# Altium PCB PCB1.PcbDoc (continued)
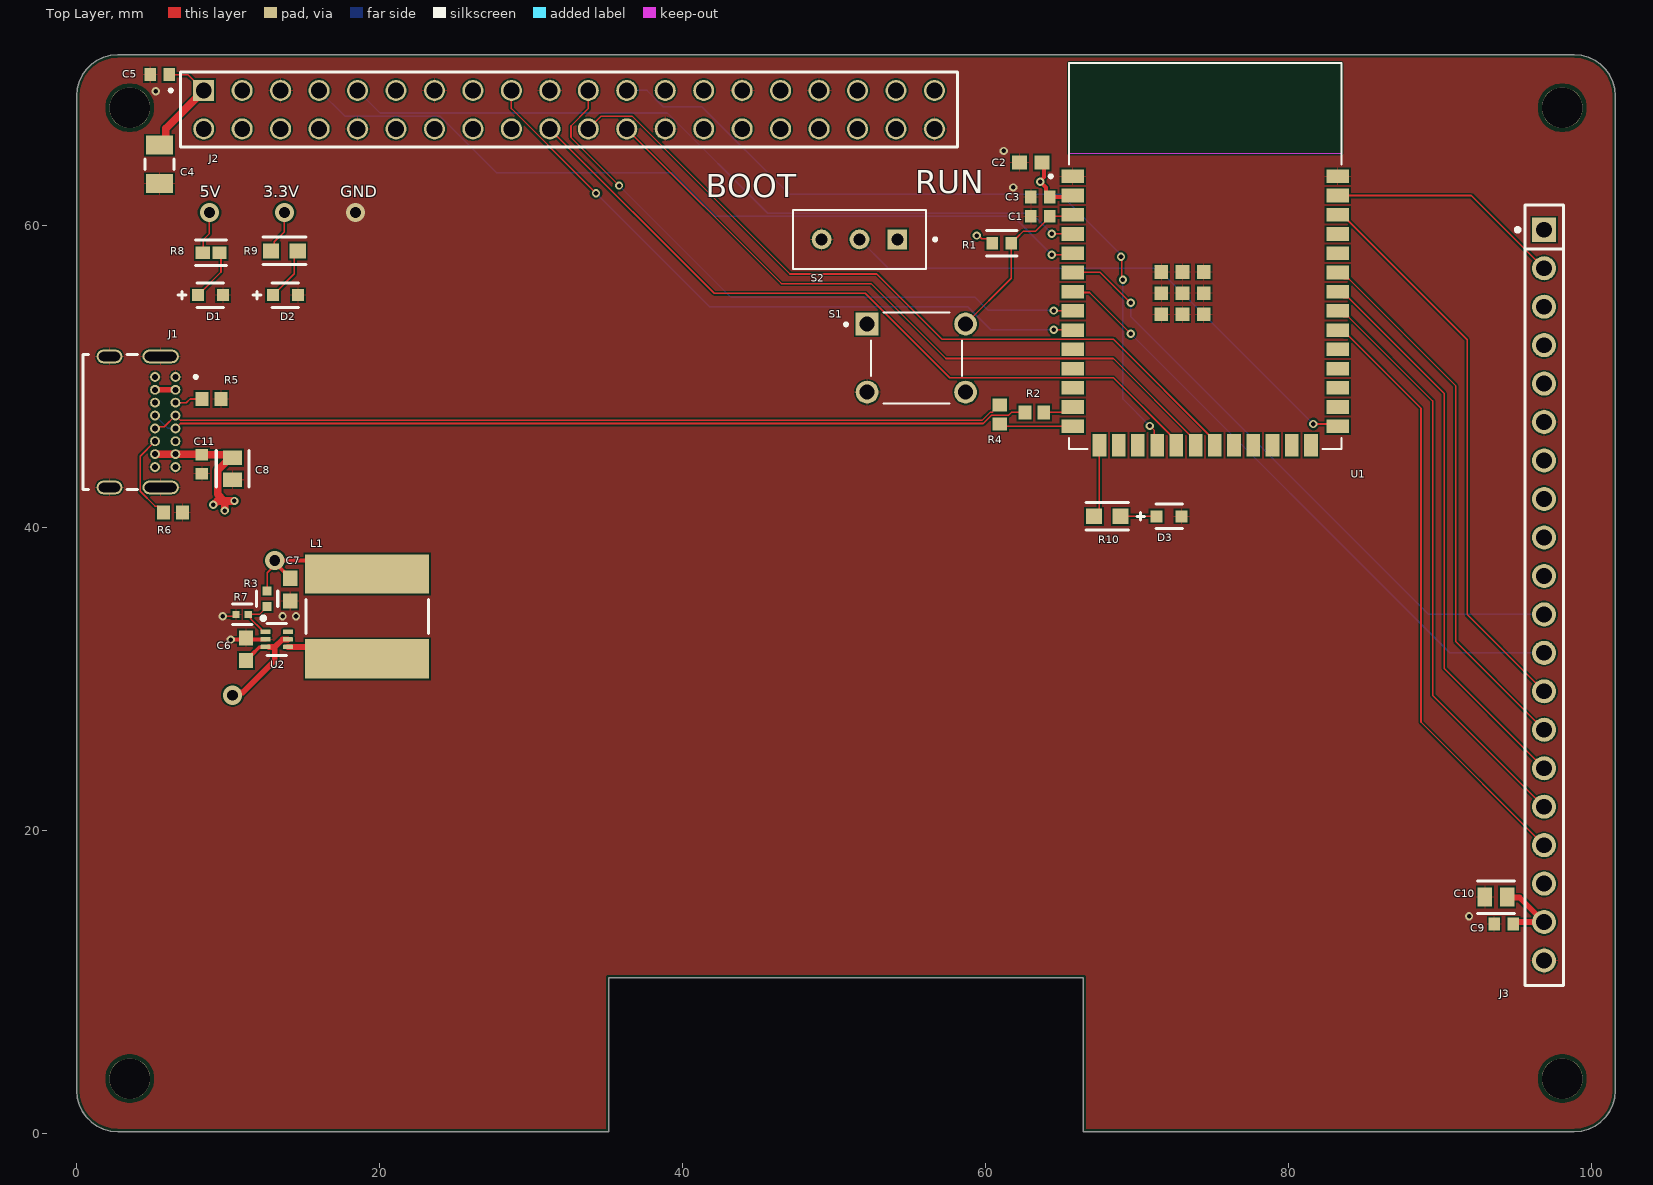
[diagram p0: Top Layer view]
## Footprints (in the part's own frame and the unit in brackets; to place one, negate y for a bottom-side part, rotate by r counter-clockwise, add the part's x,y. Pads: shape width x height; smd on the part's side, far side on the other; paste and mask are expansions set on the pad)
CAPC1608X09N [mm] "Chip Capacitor, 2-Leads, Body 1.60x0.80mm, IPC Medium Density"
  rect 1x0.95 smd: 1(-0.75,0) 2(0.75,0)
  body extent -0.85,-0.45 0.85,0.45, height 0.9
CAPC1608X90X35LL10T15 [mm] "Chip Capacitor, 2-Leads, Body 1.60x0.80mm, IPC High Density"
  rect 0.75x0.85 smd: 1(-0.625,0) 2(0.625,0)
  body extent -0.85,-0.45 0.85,0.45, height 0.9
FP-AC0603-IPC_A [mm]
  rect 1.059x1.012 smd paste+0 mask+0: 1(-0.877,0) 2(0.877,0)
  silkscreen extent -1.41,-0.91 1.41,0.91, body extent -1.91,-1.01 1.91,1.01, height 0.25
FP-APTD1608SEC-J3-MFG [mm]
  rect 0.8x0.8 smd paste+0 mask+0: 1(-0.825,0) 2(0.825,0)
  silkscreen extent -0.87,-0.8 2.12,0.8, body extent -1.33,-0.58 1.33,0.58, height 0.25
FP-CRCW0402-e3-IPC_C [mm]
  rect 0.468x0.472 smd paste+0 mask+0: 1(-0.402,0) 2(0.402,0)
  silkscreen extent -0.64,-0.67 0.64,0.67, body extent -0.74,-0.38 0.74,0.38, height 0.25
FP-CRCW0402-e3-MFG [mm]
  rect 0.6x0.6 smd paste+0 mask+0: 1(-0.525,0) 2(0.525,0)
  silkscreen extent -0.53,-0.7 0.53,0.7, body extent -0.92,-0.4 0.92,0.4, height 0.25
FP-CRGP0603-IPC_C [mm]
  rect 0.758x0.812 smd paste+0 mask+0: 1(-0.627,0) 2(0.627,0)
  silkscreen extent -1.01,-0.85 1.01,0.85, body extent -1.11,-0.55 1.11,0.55, height 0.25
FP-DRL0006A-MFG [mm]
  rrect33% 0.67x0.3 smd paste+0 mask+0: 1(-0.74,0.5) 2(-0.74,0) 3(-0.74,-0.5) 4(0.74,-0.5) 5(0.74,0) 6(0.74,0.5)
  silkscreen extent -1.01,-1.05 0.65,1.52, body extent -1.17,-1.1 1.17,1.1, height 0.25
FP-GRM21B-0_1-IPC_C [mm]
  rect 0.958x1.262 smd paste+0 mask+0: 1(-0.727,0) 2(0.727,0)
  silkscreen extent -1.21,-1.07 1.21,1.07, body extent -1.31,-0.77 1.31,0.77, height 0.25
FP-GRM31C-0_3-e0_3_0_8-IPC_C [mm]
  rect 1.253x1.804 smd paste+0 mask+0: 1(-1.275,0) 2(1.275,0)
  silkscreen extent -0.35,-0.95 0.35,0.95, body extent -2,-1.05 2,1.05, height 0.25
FP-RNCP0603-IPC_C [mm]
  rect 0.953x0.812 smd paste+0 mask+0: 1(-0.552,0) 2(0.552,0)
  silkscreen extent -1.03,-0.85 1.03,0.85, body extent -1.13,-0.55 1.13,0.55, height 0.25
FP-SRN8040-MFG [mm]
  rect 2.6x8.2 smd paste+0 mask+0: 1(-2.8,0) 2(2.8,0)
  silkscreen extent -1.12,-4.05 1.12,4.05, body extent -4.28,-4.2 4.28,4.2, height 0.25
FP-SSW-120-01-G-S-MFG [mm]
  rect 1.59x1.59 hole 1.04 paste-2539.97 mask+0: 1(-24.13,0)
  round 1.59 hole 1.04 paste-2539.97 mask+0: 2(-21.59,0) 3(-19.05,0) 4(-16.51,0) 5(-13.97,0) 6(-11.43,0) 7(-8.89,0) 8(-6.35,0) 9(-3.81,0) 10(-1.27,0) 11(1.27,0) 12(3.81,0) 13(6.35,0) 14(8.89,0) 15(11.43,0) 16(13.97,0) 17(16.51,0) 18(19.05,0) 19(21.59,0) 20(24.13,0)
  silkscreen extent -25.78,-1.87 25.78,1.27, body extent -25.88,-1.37 25.88,1.37, height 0.25
GCT_USB4085-GF-A_REVB [mm]
  round 0.65 hole 0.4: A1(-2.975,4.36) A4(-2.125,4.36) A5(-1.275,4.36) A6(-0.425,4.36) A7(0.425,4.36) A8(1.275,4.36) A9(2.125,4.36) A12(2.975,4.36) B1(2.975,3.01) B4(2.125,3.01) B5(1.275,3.01) B6(0.425,3.01) B7(-0.425,3.01) B8(-1.275,3.01) B9(-2.125,3.01) B12(-2.975,3.01)
  oval 0.9x1.7 hole 0.6 slot 1.4 at 90 deg: S1(-4.325,0) S2(4.325,0)
  oval 0.9x2.4 hole 0.6 slot 2.1 at 90 deg: S3(-4.325,3.38) S4(4.325,3.38)
  silkscreen extent -4.47,-1.74 4.47,5.8, body extent -4.47,-4.25 4.47,4.92, height 3.46
RESC1608X06N [mm] "Chip Resistor, 2-Leads, Body 1.55x0.79mm, IPC Medium Density"
  rect 0.85x0.95 smd: 1(-0.625,0) 2(0.625,0)
  body extent -0.85,-0.47 0.85,0.47, height 0.61
SAMTEC_SSW-120-02-T-D [mm]
  rect 1.39x1.39 / inner round 1.39 / far side rect 1.39x1.39 hole 1.04: 01(0,0)
  round 1.39 hole 1.04: 02(0,2.54) 03(-2.54,0) 04(-2.54,2.54) 05(-5.08,0) 06(-5.08,2.54) 07(-7.62,0) 08(-7.62,2.54) 09(-10.16,0) 10(-10.16,2.54) 11(-12.7,0) 12(-12.7,2.54) 13(-15.24,0) 14(-15.24,2.54) 15(-17.78,0) 16(-17.78,2.54) 17(-20.32,0) 18(-20.32,2.54) 19(-22.86,0) 20(-22.86,2.54) 21(-25.4,0) 22(-25.4,2.54) 23(-27.94,0) 24(-27.94,2.54) 25(-30.48,0) 26(-30.48,2.54) 27(-33.02,0) 28(-33.02,2.54) 29(-35.56,0) 30(-35.56,2.54) 31(-38.1,0) 32(-38.1,2.54) 33(-40.64,0) 34(-40.64,2.54) 35(-43.18,0) 36(-43.18,2.54) 37(-45.72,0) 38(-45.72,2.54) 39(-48.26,0) 40(-48.26,2.54)
  silkscreen extent -49.79,-1.21 2.27,3.75, body extent -49.78,-1.21 1.52,3.75, height 8.51
SW_SLW-883935-2A-D [mm]
  rect 1.308x1.308 / inner round 1.308 / far side rect 1.308x1.308 hole 0.8 mask+0.102: 1(-2.5,0)
  round 1.308 hole 0.8 mask+0.102: 2(0,0) 3(2.5,0)
  silkscreen extent -5.1,-1.95 4.4,1.95, body extent -4.3,-1.91 4.3,1.99, height 4.1
SW_TS02-66-43-BK-100-SCR-D [mm]
  rect 1.508x1.508 / inner round 1.508 / far side rect 1.508x1.508 hole 1 mask+0.102: 1(-3.25,2.25)
  round 1.508 hole 1 mask+0.102: 2(3.25,2.25) 3(-3.25,-2.25) 4(3.25,-2.25)
  silkscreen extent -4.75,-3 3,3, body extent -3.6,-3 3.6,3, height 4.3
XCVR_ESP32S3WROOM1N8R8 [mm]
  rect 1.5x0.9 smd: 1(-8.75,5.26) 2(-8.75,3.99) 3(-8.75,-8.71) 3(-8.75,2.72) 4(-8.75,1.45) 5(-8.75,0.18) 6(-8.75,-1.09) 7(-8.75,-2.36) 8(-8.75,-3.63) 9(-8.75,-4.9) 10(-8.75,-6.17) 11(-8.75,-7.44) 13(-8.75,-9.98) 14(-8.75,-11.25) 27(8.75,-11.25) 28(8.75,-9.98) 29(8.75,-8.71) 30(8.75,-7.44) 31(8.75,-6.17) 32(8.75,-4.9) 33(8.75,-3.63) 34(8.75,-2.36) 35(8.75,-1.09) 36(8.75,0.18) 37(8.75,1.45) 38(8.75,2.72) 39(8.75,3.99) 40(8.75,5.26)
  rect 0.9x1.5 smd: 15(-6.985,-12.5) 16(-5.715,-12.5) 17(-4.445,-12.5) 18(-3.175,-12.5) 19(-1.905,-12.5) 20(-0.635,-12.5) 21(0.635,-12.5) 22(1.905,-12.5) 23(3.175,-12.5) 24(4.445,-12.5) 25(5.715,-12.5) 26(6.985,-12.5)
  rect 0.9x0.9 smd: 41_1(-1.5,-2.46) 41_2(-2.9,-2.46) 41_3(-0.1,-2.46) 41_4(-2.9,-3.86) 41_5(-1.5,-3.86) 41_6(-0.1,-3.86) 41_7(-2.9,-1.06) 41_8(-1.5,-1.06) 41_9(-0.1,-1.06)
  Keep-Out Layer region: 9,6.75 -9,6.75 -9,12.75 9,12.75
  Keep-Out Layer region: 9,6.75 -9,6.75 -9,12.75 9,12.75
  silkscreen extent -10.3,-12.75 9,12.75, body extent -9,-12.75 9,12.75, height 3.25

## Part data
C1 C3 C5 C9 C11: library part CMP-2006-02868-1, Manufacturer=Murata, Part Number=GRM188R71E104KA01D
C2 C7: library part CMP-003-000012-1, "CAP CER 22uF 10V X5R Symbols/Capacitor-Generic.SchLib", Manufacturer 1=Murata, Manufacturer Part Number 1=GRM187R61A226ME15#, Part Number=CAP-0603-000010, Temperature Characteristic=X5R, Tolerance=20%, Voltage=10V, Symbol Path=Symbols/Capacitor-Generic.SchLib
C4: library part CMP-06035-011430-1, "Chip Multilayer Ceramic Capacitors for General Purpose, 1206, 47uF, X5R, 15%, 20%, 16V", Dielectric=X5R, Tolerance=20%, Voltage Rating (DC)=16V, Capacitance=47uF, Length=3.2mm, Thickness=1.6mm, Width=1.6mm
C6: library part CMP-003-000096-1, "CAP CER 4.7uF 25V X5R Symbols/Capacitor-Generic.SchLib", Manufacturer 1=Murata, Manufacturer Part Number 1=GRM188R61E475KE11#, Part Number=CAP-0603-000094, Temperature Characteristic=X5R, Tolerance=10%, Voltage=25V, Symbol Path=Symbols/Capacitor-Generic.SchLib
C8 C10: library part CMP-2007-03453-2, "Chip Multilayer Ceramic Capacitors for General Purpose, 0805, 10uF, X5R, 15%, 10%, 16V", Case Code (Imperial)=0805, Case Code (Metric)=2012, Dielectric=X5R, Max Operating Temperature=85°C, Min Operating Temperature=-55°C, Package Quantity=1, Tolerance=10%, Voltage=16V, Capacitance=10uF, Case/Package=0805, Depth=1.25mm, Height=1.25mm, Lead Free="Lead Free", Length=2mm, Material=Ceramic, Mount="Surface Mount", Packaging="Tape and Reel", Radiation Hardening=No, REACH SVHC="No SVHC", Termination=SMD/SMT, Thickness=0.053inch, Voltage Rating=16V, Voltage Rating (DC)=16V, Width=1.25mm
D1 D2 D3: library part CMP-44529-000051-1, "LED RED CLEAR CHIP SMD", Case Code (Imperial)=0603, Case Code (Metric)=1608, Color=Red, Forward Current=20mA, Forward Voltage=2.2V, Lens Color=Colorless, Max Operating Temperature=85°C, Min Operating Temperature=-40°C, Package Quantity=2000, Case/Package=0603, Dominant Wavelength=625nm, Height=0.95mm, Illumination Color=Red, Lead Free="Lead Free", Length=1.6mm, Lens Style=Clear, Lens Transparency=Clear, Luminous Intensity=900mcd, Mount="Surface Mount", Number of LEDs=1, Number of Pins=4, Packaging="Tape and Reel", Test Current=20mA, Viewing Angle=60°, Width=0.8mm
J1: "USB-C (USB TYPE-C) USB 2.0 æ’åº§è¿žæŽ¥å™¨ 24 (16+8 Dummy) ä½é€šå­”ã€ç›´è§’ã€ä½Žæˆæœ¬ã€3.46mm å¤–å½¢ã€16 é’ˆã€æ°´å¹³ã€é¡¶éƒ¨å®‰è£…", Package=None, Check_prices=https://www.snapeda.com/parts/USB4085-GF-A/Global+Connector+Technology/view-part/?ref=eda, MF="Global Connector Technology", MP=USB4085-GF-A, SnapEDA_Link=https://www.snapeda.com/parts/USB4085-GF-A/Global+Connector+Technology/view-part/?ref=snap
J2: "40 Position Receptacle Connector 0.100 (2.54mm) Through Hole Tin", Package=None, Check_prices=https://www.snapeda.com/parts/SSW-120-02-T-D/Samtec+Inc./view-part/?ref=eda, MF="Samtec Inc.", MP=SSW-120-02-T-D, SnapEDA_Link=https://www.snapeda.com/parts/SSW-120-02-T-D/Samtec+Inc./view-part/?ref=snap
J3: library part CMP-00575-00296075-1, "SSW-120-01-G-S SSW - Samtec 2.54mm Single Row Straight Socket Strip 8.5 Profile (mcv)(TO22)", Color=Black, Contact Resistance=10mΩ, Current Rating=6.9A, Manufacturer Lifecycle Status=PRODUCTION, Max Operating Temperature=125°C, Max Voltage Rating (AC)=550V, Min Operating Temperature=-55°C, Voltage Rating (AC)=465V, Voltage Rating (DC)=655V, Connector Type="Receptacle, Socket", Contact Material=Bronze, Contact Plating=Gold, Depth=2.41mm, Gender=Receptacle, Housing Color=Black, Housing Material=Polymer, Lead Free="Lead Free", Lead Length=2.64mm, Lead Pitch=2.54mm, Length=51.31mm, Lifecycle Status=Production, Max Current Rating=6.9A, Mount="Through Hole", NexarPartId=296075, Number of Contacts=20, Number of Positions=20, Number of Rows=1, Orientation=Straight, Pitch=2.54mm, Radiation Hardening=No, REACH SVHC="No SVHC", RoHS=Compliant, Termination=Solder, Voltage Rating=550V
L1: library part CMP-07248-000040-1, "FIXED IND 1UH 7.8A 10 MOHM SMD", Case/Package=Nonstandard, Current Rating=7.8A, DC Resistance (DCR)=10mR, Inductance Tolerance=30%, Max Operating Temperature=125°C, Min Operating Temperature=-40°C, Package Quantity=1000, Saturation Current=11A, Self Resonant Frequency=75MHz, Test Frequency=100kHz, Composition=Wirewound, Core Material=Ferrite, DC Current=7.8A, Depth=8.3mm, Height=4mm, Height - Seated (Max)=0.157inch, Inductance=1uH, Length=8mm, Max DC Current=7.8A, Military Standard=Not, Mount="Surface Mount", Number of Pins=2, Packaging="Tape and Reel", REACH SVHC="No SVHC", RMS Current (Irms)=7.8A, Shielding=Shielded, Termination=SMD/SMT, Tolerance=30%, Width=8mm
R1: library part CMP-03211-004414-1, "CRGP 0603 10K 1%", Ambient Temperature Range High=+70°C, Manufacturer=TE, Manufacturer Part Number=CRGP0603F10K, Package=CRGP0603, Power Rating=0.25W, Resistance=10KΩ, Temperature="-55°C to +155°C", Temperature Coefficient=±100ppm/°C, Temperature Range High=+155°C, Temperature Range Low=-55°C, Tolerance=0.01, Voltage Rating=50V, Automotive=No, Category=Res, ComponentLink2Description=Datasheet, ComponentLink2URL=https://www.te.com/commerce/DocumentDelivery/DDEController?Action=srchrtrv&DocNm=9-1773463-9&DocType=DS&DocLang=English, Composition="Thick Film", Device Class L1="Passive Components", Device Class L2=Resistors, Device Class L3="Chip SMD Resistors", Digikey Description="CRGP 0603 10K 1%", Height=0.55mm, Ipc Land Pattern Name=RESC16080X45, Lead Free=Yes, Mouser Description="Res, 10K, 1%, 0.25W, 0603, Thick Film", Octopart=https://octopart.com/crgp0603f10k-te+connectivity-91018721, RoHS=TRUE, Series=CRGP
R2 R4: library part CMP-007-000132-1, "RES 22.6 OHM 1% 1/10W 0603", Manufacturer 1=Yageo, Manufacturer 2="Stackpole Electronics", Manufacturer 3="Vishay Dale", Manufacturer Part Number 1=RC0603FR-0722R6L, Manufacturer Part Number 2=RMCF0603FT22R6, Manufacturer Part Number 3=CRCW060322R6FKED, Part Number=RES-0603-22R6-001, Tolerance=0.01%, Symbol Path=Symbols/Resistor_Generic.SchLib
R3: library part CMP-2002-00012-2, "RES Thick Film, 453kΩ, 1%, 0.063W, 100ppm/°C, 0402", Case Code (Imperial)=0402, Case Code (Metric)=1005, Max Operating Temperature=155°C, Max Power Dissipation=63mW, Min Operating Temperature=-55°C, Package Quantity=10, Resistance=453kR, Resistance Tolerance=1%, Resistor Type="Thick Film", Temperature Coefficient=100ppm/°C, Voltage Rating=50V, Case/Package=0402, Construction=Rectangular, Contact Plating=Tin, Depth=0.5mm, Features="Automotive AEC-Q200", Height=0.016inch, Lead Free="Lead Free", Length=1mm, Military Standard=Not, Number of Pins=2, Number of Terminations=2, Packaging="Tape and Reel", Power Rating=63mW, Radiation Hardening=No, RoHS Compliant=Yes, Series=CRCW, Size Code=0402, Termination=SMD/SMT, Tolerance=1%, Voltage Rating (DC)=50V, Weight=2.3E-05oz, Width=0.5mm
R5 R6: library part CMP-007-000358-1, "RES 5.11K OHM 1% 1/10W 0603", Manufacturer 1=Yageo, Manufacturer 2="Stackpole Electronics", Manufacturer 3="Vishay Dale", Manufacturer Part Number 1=RC0603FR-075K11L, Manufacturer Part Number 2=RMCF0603FT5K11, Manufacturer Part Number 3=CRCW06035K11FKED, Part Number=RES-0603-5K11-001, Tolerance=0.01%, Symbol Path=Symbols/Resistor_Generic.SchLib
R7: library part CMP-2002-08123-3, "RES Thick Film, 100kΩ, 1%, 0.063W, 100ppm/°C, 0402", Case Code (Imperial)=0402, Case Code (Metric)=1005, Max Operating Temperature=155°C, Max Power Dissipation=63mW, Min Operating Temperature=-55°C, Package Quantity=10000, Resistance=100kR, Temperature Coefficient=100ppm/°C, Tolerance=1%, Voltage Rating=50V, Case/Package=0402, Composition="Thick Film", Contact Plating=Tin, Depth=0.5mm, Features="Automotive AEC-Q200", Height=0.35mm, Lead Free="Lead Free", Length=1mm, Military Standard=Not, Mount="Surface Mount", Number of Pins=2, Number of Terminations=2, Packaging="Tape and Reel", Power Rating=63mW, Radiation Hardening=No, Termination=SMD/SMT, Voltage Rating (DC)=50V, Weight=2.3E-05oz, Width=0.02inch
R8: library part CMP-26527-006179-1, "1kΩ ±1% 0.125W 0603 High Power Anti-Sulfur Thin Film Chip Resistor", Case Code (Imperial)=0603, Case Code (Metric)=1608, Max Operating Temperature=155°C, Max Power Dissipation=125mW, Min Operating Temperature=-55°C, Resistance=1kR, Resistor Type="Thin Film", Temperature Coefficient=100ppm/°C, Tolerance=1%, Case/Package=0603, Features="Moisture Resistant", Height=0.02inch, Length=0.059inch, Mount="Surface Mount", Number of Terminations=2, Packaging="Tape and Reel", RoHS Compliant=Yes, Series=RNCP, Width=0.031inch
R9 R10: library part CMP-03412-002877-2, "RES 470Ω 1.00% 0.1W 0603", Case/Package=0603, Resistance=470R, Tolerance=1%, RoHS Compliant=Yes
S1: library part CMP-00010-2, "Switch Tactile OFF (ON) SPST Round Button PC Pins 0.05A 12VDC 100000Cycles 1N Thru-Hole Bag", Color=Black, Contact Resistance=100mΩ, Insulation Resistance=100MΩ, Max Current Rating=50mA, Max Operating Temperature=80°C, Max Voltage Rating (DC)=12V, Min Operating Temperature=-30°C, Operating Force=980mN, Contact Plating=Silver, Electrical Life=100kcycles, Height=3.5mm, Housing Material="Stainless Steel", Length=6mm, Lifecycle Status=Production, Number of Positions=1, REACH SVHC=Yes, RoHS=Compliant, Schedule B="8536509030, 8536509065, 8536509065", Terminal Material=Brass, Throw Configuration=SPST
S2: library part CMP-00009-3, "Switch Slide ON ON SPDT Raised Slide 0.5A 30VDC 10000Cycles PC Pins Thru-Hole Box", Lifecycle Status=Production, Number of Positions=2, REACH SVHC=Yes, RoHS=Compliant
U1: "Bluetooth, WiFi 802.11b/g/n, Bluetooth v5.0 Transceiver Module 2.4GHz PCB Trace Surface Mount", Package=None, Availability="In Stock", Check_prices=https://www.snapeda.com/parts/ESP32-S3-WROOM-1-N8R8/Espressif+Systems/view-part/?ref=eda, MF="Espressif Systems", MP=ESP32-S3-WROOM-1-N8R8, Price=None, Purchase-URL=https://pricing.snapeda.com/search?q=ESP32-S3-WROOM-1-N8R8&ref=eda, SnapEDA_Link=https://www.snapeda.com/parts/ESP32-S3-WROOM-1-N8R8/Espressif+Systems/view-part/?ref=snap
U2: library part CMP-04918-000167-1, "IC REG BUCK ADJ 2A SOT563", Case/Package=SOT-563, Max Input Voltage=5.5V, Max Operating Temperature=125°C, Min Input Voltage=2.5V, Min Operating Temperature=-40°C, Min Output Voltage=600mV, Output Current=2A, Switching Frequency=1.5MHz, Max Output Voltage=5.5V, Mount="Surface Mount", Output Configuration=Positive, Output Type=Adjustable, Packaging="Tape and Reel", Synchronous Rectifier=Yes

## Free pads (board coordinates)
  round 2.7 hole 2.7 unplated: 1(3.5,3.627) 1(3.5,67.747) 1(98.1,3.627) 1(98.1,67.747)

## Via types
v1: diameter 0.55, hole 0.3, Top Layer to Bottom Layer, 25 vias
v2: diameter 1.27, hole 0.711, Top Layer to Bottom Layer, 5 vias

## Nets (pads, with @x,y where several pads share a name; then routed paths per layer and width w, separated by ;. In a path a pad name is that pad's centre, name@x,y a point inside that pad or via, vN(x,y) a via of type N, cw(c..) or ccw(c..) an arc to the next point about the centre after c; other vN are vias at no path point)
3.3V: C2.2 C3.2 C7.2 C9.2 C10.1 J3.19 L1.2 R1.1 R3.2 R9.1 S2.1 U1.2 | length 23
  Top Layer w0.102: R3.2@12.573,35.814 R3.2 12.573,37.042 13.081,37.55 v2@13.081,37.719 ; R9.1 13.049,58.503 13.049,58.892 13.716,59.559 v2(13.716,60.833) ; v2@13.208,37.593 v2@13.208,37.719 ; L1.2@18.542,37.592 L1.2 ; v1(59.436,59.309) 59.557,59.309 59.765,59.101 60.16,59.101 R1.1 ; U1.2@65.669,61.849 U1.2 ; C9.2@95.123,13.843 95.25,13.97
  Top Layer w0.254: v2(13.081,37.846) 13.208,37.719 13.335,37.846 18.288,37.846 L1.2@18.542,37.592 ; v2@13.208,37.593 C7.2@14.097,36.704 ; C2.2@63.869,63.754 63.869,63.162 63.627,62.92 v1(63.627,62.865) 64.014,62.478 64.014,62.097 C3.2@64.077,62.034 ; C3.2 U1.2@65.669,61.849
  Top Layer w0.381: C3.2@64.077,62.034 C3.2 ; C10.1 94.484,15.591 95.28,15.591 J3.19 95.25,13.97
5V: C4.1 C5.2 C6.2 C8.1 C11.2 J1.A4 J1.A9 J1.B4 J1.B9 J2.01 J2.03 R8.1 U2.3 U2.5 | length 31.3
  Top Layer w0.102: C5.2 7.336,69.936 J2.01 ; C11.2@8.214,44.872 C11.2 ; R8.1@8.342,58.166 8.342,59.019 8.763,59.44 v2(8.763,60.833) ; C8.1@10.17,44.751 C8.1 ; C6.2 11.176,31.267 11.6,31.691 11.625,31.691 11.981,32.047 12.24,32.047 U2.3@12.332,32.139
  Top Layer w0.254: C6.2@11.176,31.267 11.524,31.615 11.549,31.615 12.05,32.116 U2.3@12.233,32.116
  Top Layer w0.381: J1.B9 J1.A4 ; C8.1@9.846,44.346 9.916,44.416 C8.1@9.916,44.634 ; v2(10.287,28.956) 10.457,29.126 10.965,29.126 13.079,31.24 13.079,32.139 ; U2.3@12.7,32.139 13.079,32.139 ; U2.5 13.579,32.639 13.079,32.139
  Top Layer w0.508: J1.B4 J1.A9 C11.2@8.214,44.872 ; C4.1 5.494,65.283 5.866,65.656 5.866,66.374 J2.01 ; C11.2 C8.1@10.043,44.831 ; v1(9.017,41.529) 9.028,41.529 9.274,41.775 9.739,41.775 ; v1(9.779,41.148) 9.779,41.735 ; C8.1@9.846,44.346 9.84,44.346 9.3,43.806 9.3,42.214 9.739,41.775 ; v1(10.414,41.783) 10.406,41.775 9.819,41.775 ; 9.739,41.775 9.819,41.775 ; 9.739,41.775 9.779,41.735 ; 9.779,41.735 9.819,41.775
BOOT: S2.2 U1.27 | length 36.7
  Top Layer w0.102: v1(81.661,46.863) 83.121,46.863 U1.27
  Bottom Layer w0.102: S2.2 53.594,57.15 71.374,57.15 v1(81.661,46.863)
ENABLE: C1.2 R1.2 S1.2 U1.3@65.772,60.682 | length 11.4
  Top Layer w0.102: S1.2 61.714,56.484 R1.2 ; R1.2@61.714,58.828 62.042,59.156 62.069,59.156 62.514,59.601 63.334,59.601 64.262,60.529 C1.2 65.669,60.579 U1.3@65.772,60.682
GND: C1.1 C2.1 C3.1 C4.2 C5.1 C6.1 C7.1 C8.2 C9.1 C10.2 C11.1 D1.1 D2.1 D3.1 J1.A1 J1.A12 J1.B1 J1.B12 J1.S1 J1.S2 J1.S3 J1.S4 J2.05 J2.10 J2.13 J2.19 J2.26 J2.29 J2.33 J2.40 J3.6 J3.20 R5.2 R6.2 R7.1 S1.3 S2.3 U1.1 U1.40 U1.41_1 U1.41_2 U1.41_3 U1.41_4 U1.41_5 U1.41_6 U1.41_7 U1.41_8 U1.41_9 U2.2 | length 3.3
  Top Layer w0.102: v1(9.631,34.163) 10.393,34.163 R7.1 ; C6.1@11.061,32.627 C6.1
  Top Layer w0.254: v1(10.16,32.627) C6.1@11.061,32.627 ; C6.1 11.279,32.639 U2.2
  other v1: 91.948,14.351 13.589,34.163 14.478,34.163 61.849,62.484 61.214,64.897 5.207,68.834
  other v2: 18.415,60.833
NetD1_2: D1.2 R8.2 | length 3.4
  Top Layer w0.102: D1.2 9.525,56.896 R8.2@9.525,58.166
NetD2_2: D2.2 R9.2 | length 3.5
  Top Layer w0.102: D2.2 14.368,56.786 R9.2@14.368,58.293
NetD3_2: D3.2 R10.2 | length 2.4
  Top Layer w0.102: R10.2 71.184,40.767 D3.2@71.311,40.64
NetJ1_A5: J1.A5 R5.1 | length 1.6
  Top Layer w0.102: J1.A5@6.544,48.267 7.233,48.267 7.48,48.514 R5.1@8.062,48.514
NetJ1_B5: J1.B5 R6.1 | length 5.9
  Top Layer w0.102: J1.B5 4.187,44.74 4.187,42.422 5.164,41.445 5.351,41.445 5.725,41.071 R6.1
NetJ2_07: J2.07 U1.5 | length 54.3
  Top Layer w0.102: v1(64.389,58.039) 65.669,58.039 U1.5
  Bottom Layer w0.102: J2.07 17.695,67.197 23.973,67.197 27.721,63.449 39.288,63.449 42.158,60.579 61.849,60.579 v1(64.389,58.039)
NetJ2_09: J2.09 U1.4 | length 51.2
  Top Layer w0.102: v1(64.389,59.436) 65.748,59.436 U1.4
  Bottom Layer w0.102: J2.09 20.031,67.401 39.01,67.401 45.628,60.782 63.043,60.782 v1(64.389,59.436)
NetJ2_17: J2.17 U1.9 | length 44.3
  Top Layer w0.102: J2.17 28.702,67.692 33.471,62.923 33.91,62.484 v1(34.29,62.103) ; v1(64.516,53.086) 65.748,53.086 U1.9
  Bottom Layer w0.102: v1(34.29,62.103) 41.783,54.61 58.836,54.61 59.276,54.17 60.36,53.086 v1(64.516,53.086)
NetJ2_20: J2.20 U1.19 | length 50.2
  Top Layer w0.102: J2.20 42.093,55.499 52.07,55.499 57.658,49.911 68.468,49.911 72.617,45.762 U1.19
NetJ2_21: J2.21 U1.8 | length 41.5
  Top Layer w0.102: J2.21 33.782,67.694 32.639,66.551 32.639,65.786 v1(35.814,62.611) ; v1(64.516,54.356) 65.748,54.356 U1.8
  Bottom Layer w0.102: v1(35.814,62.611) 43.18,55.245 59.309,55.245 60.181,54.373 64.499,54.373 v1(64.516,54.356)
NetJ2_22: J2.22 U1.21 | length 50.9
  Top Layer w0.102: J2.22 34.629,67.197 36.673,67.197 47.101,56.769 52.832,56.769 57.141,52.46 68.459,52.46 75.157,45.762 U1.21
NetJ2_23: J2.23 U1.18 | length 50.6
  Top Layer w0.102: v1(68.961,57.912) 69.025,57.848 69.025,56.451 v1(69.088,56.388) ; v1(70.866,46.736) 71.168,46.434 71.168,45.641 U1.18
  Bottom Layer w0.102: J2.23 37.664,68.89 38.736,67.818 41.276,67.818 47.062,62.031 64.969,62.031 v1@68.961,58.039 ; v1(69.088,56.388) 69.088,48.514 v1(70.866,46.736)
NetJ2_24: J2.24 U1.20 | length 46.4
  Top Layer w0.102: J2.24 46.538,56.134 52.451,56.134 57.395,51.19 68.459,51.19 73.887,45.762 U1.20
NetJ3_2: J3.2 U1.39 | length 15.6
  Top Layer w0.102: U1.39 92.099,61.952 J3.2
NetJ3_11: J3.11 U1.6 | length 41
  Top Layer w0.102: U1.6 67.588,56.872 v1(69.596,54.864)
  Bottom Layer w0.102: v1(69.596,54.864) 69.596,53.975 89.281,34.29 J3.11
NetJ3_12: J3.12 U1.7 | length 41
  Top Layer w0.102: U1.7 65.827,55.547 66.881,55.547 v1(69.596,52.832)
  Bottom Layer w0.102: v1(69.596,52.832) 90.678,31.75 J3.12
NetJ3_13: J3.13 U1.38 | length 37.3
  Top Layer w0.102: U1.38 83.572,60.682 91.821,52.433 91.821,34.29 J3.13
NetJ3_14: J3.14 U1.35 | length 36
  Top Layer w0.102: U1.35 83.671,56.473 83.989,56.473 91.059,49.403 91.059,32.512 J3.14
NetJ3_15: J3.15 U1.34 | length 37.3
  Top Layer w0.102: U1.34 83.671,55.203 83.989,55.203 90.297,48.895 90.297,30.734 J3.15
NetJ3_16: J3.16 U1.33 | length 38.6
  Top Layer w0.102: U1.33 83.671,53.933 83.989,53.933 89.535,48.387 89.535,28.956 J3.16
NetJ3_17: J3.17 U1.32 | length 39.9
  Top Layer w0.102: U1.32 83.671,52.663 84.01,52.663 88.773,47.9 88.773,27.178 J3.17
NetL1_1: L1.1 U2.4 | length 5.6
  Top Layer w0.102: L1.1@18.395,32.139 L1.1
  Top Layer w0.381: U2.4 L1.1@18.395,32.139
NetR2_1: R2.1 U1.13 | length 2.1
  Top Layer w0.102: R2.1 65.415,47.625 U1.13
NetR3_1: R3.1 R7.2 U2.1 | length 3.3
  Top Layer w0.102: R7.2 12.065,34.29 R3.1 ; R7.2@11.393,34.093 11.413,34.093 11.529,33.978 11.529,33.96 12.184,33.304 12.184,33.238 12.283,33.139 U2.1 12.31,33.139 U2.1@12.22,33.229
NetR4_1: R4.1 U1.14 | length 4.9
  Top Layer w0.102: R4.1 61.121,46.712 U1.14
NetR10_1: R10.1 U1.15 | length 4.8
  Top Layer w0.102: R10.1@67.404,40.767 67.537,40.9 U1.15
NetU1_10: U1.10
NetU1_11: U1.11
USB_D_N: J1.A7 J1.B7 R2.2 | length 58.2
  Top Layer w0.102: J1.A7 6.842,46.895 59.867,46.895 60.422,47.45 61.547,47.45 61.722,47.625 R2.2
  Bottom Layer w0.102: J1.B7 6.019,46.572 J1.A7
USB_D_P: J1.A6 J1.B6 R4.2 | length 56.7
  Top Layer w0.102: J1.B6 5.274,46.677 5.774,46.677 J1.A6 6.842,47.099 59.783,47.099 60.338,47.654 60.476,47.654 60.536,47.713 60.536,47.749 60.91,48.123 R4.2
pads on no net: J1.A8 J1.B8 J2.02 J2.04 J2.06 J2.08 J2.11 J2.12 J2.14 J2.15 J2.16 J2.18 J2.25 J2.27 J2.28 J2.30 J2.31 J2.32 J2.34 J2.35 J2.36 J2.37 J2.38 J2.39 J3.1 J3.3 J3.4 J3.5 J3.7 J3.8 J3.9 J3.10 J3.18 S1.1 S1.4 U1.3@65.772,49.252 U1.16 U1.17 U1.22 U1.23 U1.24 U1.25 U1.26 U1.28 U1.29 U1.30 U1.31 U1.36 U1.37 U2.6

## Polygon pours and split planes (outlines as drawn)
3.3V on Layer 2 (Power) "3.3V_L03_P012" (solid, pour order 12): 12.446,0.381 12.446,71.247 101.6,71.247 101.727,71.374 101.727,0.127 12.446,0.127
5V on Layer 2 (Power) "5V_L03_P011" (solid, pour order 11): 0,0 0.127,0.127 12.192,0.127 12.192,71.247 0,71.247 0,0.127
GND on Top Layer "GND_L01_P001" (solid, pour order 1): 0,68.42 0,2.7 0.041,2.231 0.163,1.777 0.362,1.35 0.632,0.964 0.964,0.632 1.35,0.362 1.777,0.163 2.231,0.041 2.7,0 98.9,0 99.369,0.041 99.823,0.163 100.25,0.362 100.636,0.632 100.968,0.964 101.238,1.35 101.437,1.777 101.559,2.231 101.6,2.7 101.6,68.42 101.559,68.889 101.437,69.343 101.238,69.77 100.968,70.156 100.636,70.488 100.25,70.758 99.823,70.957 99.369,71.079 98.9,71.12 2.7,71.12 2.231,71.079 1.777,70.957 1.35,70.758 0.964,70.488 0.632,70.156 0.362,69.77 0.163,69.343 0.041,68.889
GND on Bottom Layer "GND_L04_P003" (solid, pour order 3): 0,68.42 0,2.7 0.041,2.231 0.163,1.777 0.362,1.35 0.632,0.964 0.964,0.632 1.35,0.362 1.777,0.163 2.231,0.041 2.7,0 98.9,0 99.369,0.041 99.823,0.163 100.25,0.362 100.636,0.632 100.968,0.964 101.238,1.35 101.437,1.777 101.559,2.231 101.6,2.7 101.6,68.42 101.559,68.889 101.437,69.343 101.238,69.77 100.968,70.156 100.636,70.488 100.25,70.758 99.823,70.957 99.369,71.079 98.9,71.12 2.7,71.12 2.231,71.079 1.777,70.957 1.35,70.758 0.964,70.488 0.632,70.156 0.362,69.77 0.163,69.343 0.041,68.889
GND on Layer 1 (GND) "GND_L02_P008" (solid, pour order 8): 66.475,10.287 66.475,0.127 98.9,0.127 99.369,0.168 99.823,0.29 100.25,0.489 100.636,0.759 100.968,1.091 101.238,1.477 101.437,1.904 101.559,2.358 101.6,2.827 101.6,68.547 101.559,69.016 101.437,69.47 101.238,69.897 100.968,70.283 100.636,70.615 100.25,70.885 99.823,71.084 99.369,71.206 98.9,71.247 2.7,71.247 2.231,71.206 1.777,71.084 1.35,70.885 0.964,70.615 0.632,70.283 0.362,69.897 0.163,69.47 0.041,69.016 0,68.547 0,2.827 0.041,2.358 0.163,1.904 0.362,1.477 0.632,1.091 0.964,0.759 1.35,0.489 1.777,0.29 2.231,0.168 2.7,0.127 35.125,0.127 35.125,10.287

## Silkscreen, mask and mechanical layers (free items; w line width, h text height)
Top Overlay:
  text "RUN" at 55.372,62.103 h1.52
  text "5V" at 8.128,61.849 h0.76
  text "3.3V" at 12.319,61.849 h0.76
  text "GND" at 17.399,61.849 h0.76
  text "BOOT" at 41.529,61.849 h1.52

## Text inside footprints (layer, text, board x,y; h text height)
J1: Mechanical 13 "PCB EDGE" at 0.589,41.682 h0.81 r270
U1: Mechanical 13 "ANTENNA" at 70.022,67.462 h1.27